# Altium PCB PCB_STX3.PcbDoc (continued)
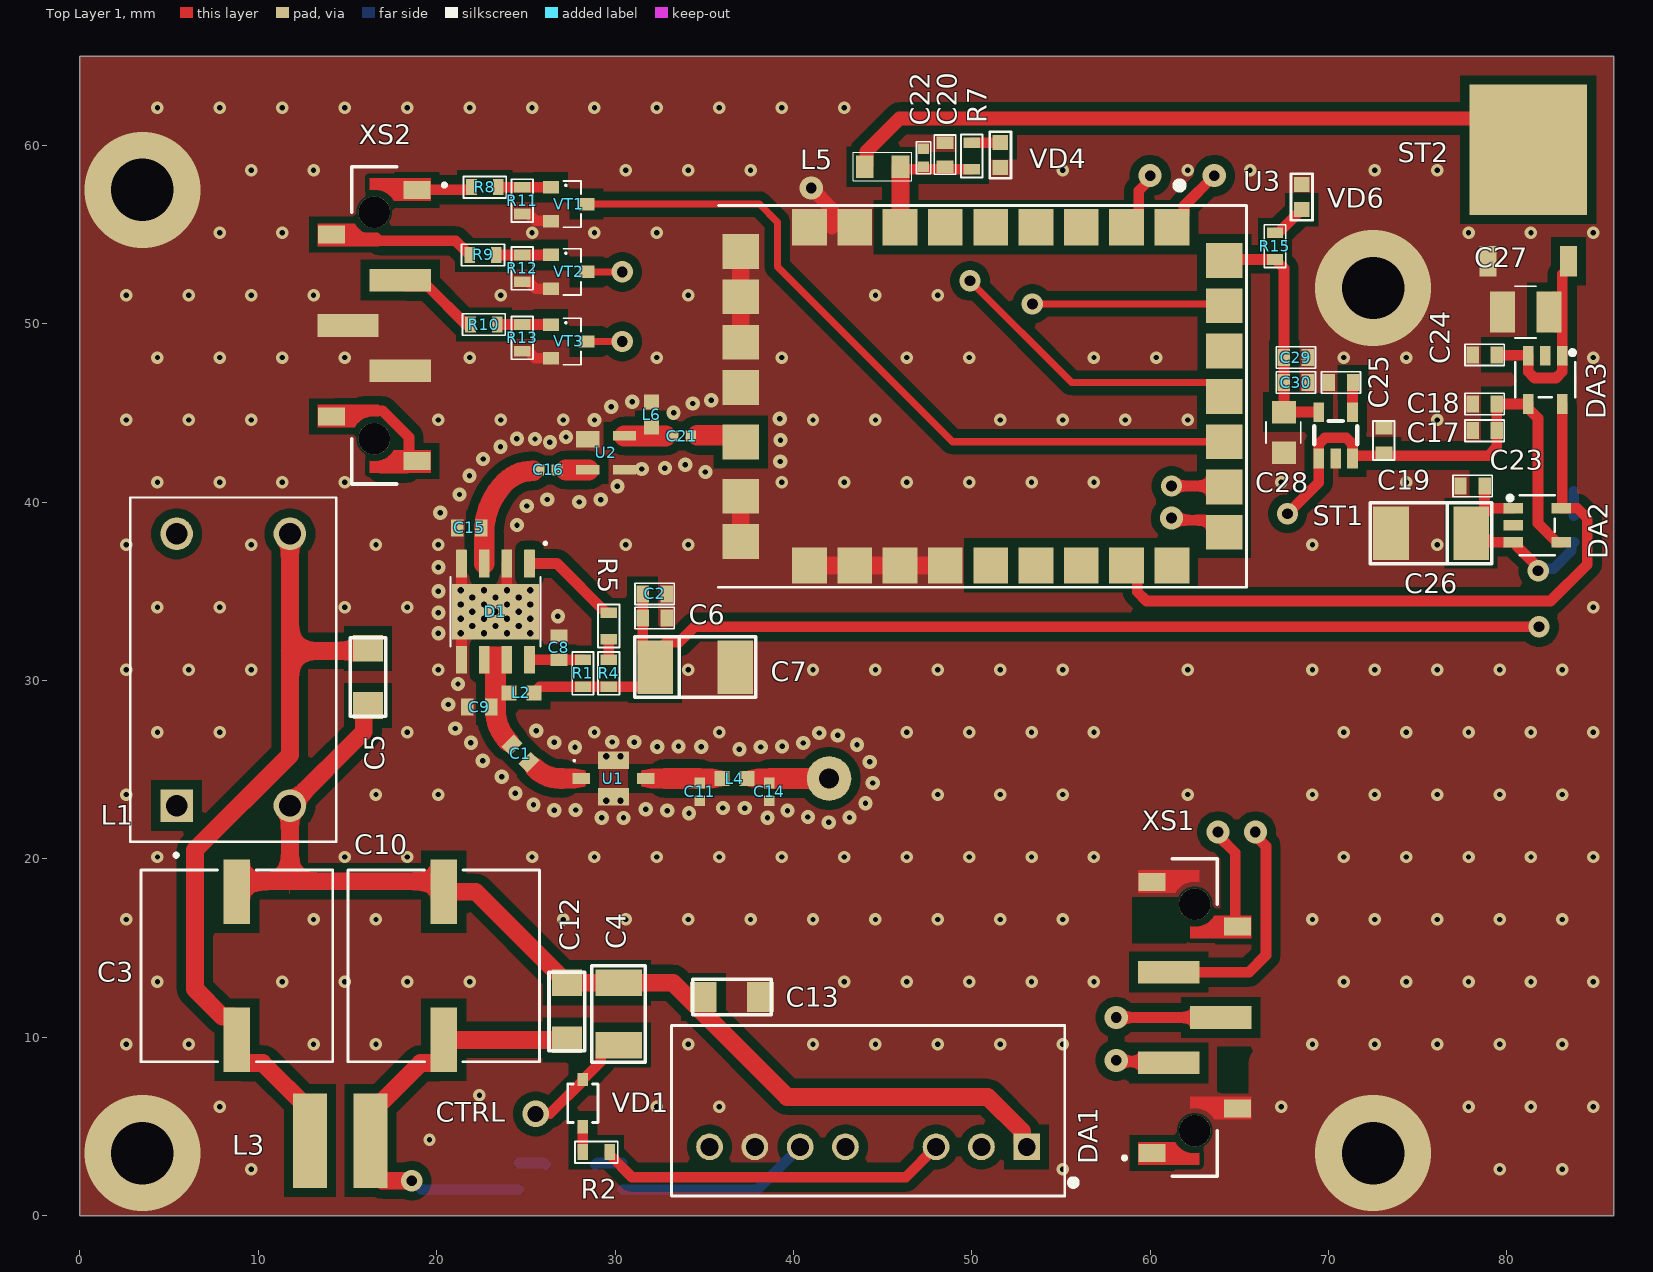
[diagram p0: Top Layer 1 view]
## Components (designator, comment, footprint, x,y, rotation, side; value= is the part's Value field where it differs from the comment)
C1 "Capacitor" "CAP 0603" 24.7,25.9 r315 top value=10
C2 "Capacitor" "CAP 0603" 32.225,34.85 r0 top value=100
C3 "CAP_POL" CP_Elec_SMD_10x10.5 8.8,14 r90 top value=100
C4 "Capacitor" "CAP 1210" 30.2,11.3 r270 top value=10
C5 "Capacitor" "CAP 1206" 16.15,30.2 r90 top value=10
C6 "Capacitor" "CAP 0603" 32.225,33.5 r0 top value=100
C7 "CAP_POL" TANTAL_C 34.5,30.75 r0 top value=47
C8 "Capacitor" "CAP 0603" 26.85,31.825 r270 top value=10
C9 "Capacitor" "CAP 0603" 22.4,28.5 r180 top value=100
C10 "CAP_POL" CP_Elec_SMD_10x10.5 20.4,14 r90 top value=100
C11 "Capacitor" "CAP 0402" 34.75,23.75 r270 top value=1
C12 "Capacitor" "CAP 1206" 27.3,11.45 r270 top value=10
C13 "Capacitor" "CAP 1206" 36.55,12.25 r0 top value=10
C14 "Capacitor" "CAP 0402" 38.65,23.75 r270 top value=1
C15 "Capacitor" "CAP 0603" 21.825,38.55 r0 top value=10
C16 "Capacitor" "CAP 0402" 26.25,41.8 r0 top value=1
C17 "Capacitor" "CAP 0603" 78.75,44 r180 top value=1
C18 "Capacitor" "CAP 0603" 78.75,45.497 r180 top value=1
C19 "Capacitor" "CAP 0603" 73.1,43.45 r270 top value=1
C20 "Capacitor" "CAP 0603" 48.5,59.475 r90 top value=10
C21 "Capacitor" "CAP 0402" 33.75,43.7 r0 top value=1
C22 "Capacitor" "CAP 0402" 47.3,59.3 r270 top value=0.1
C23 "Capacitor" "CAP 0603" 78.075,40.9 r180 top value=0.1
C24 "Capacitor" "CAP 0603" 78.75,48.25 r180 top value=0.1
C25 "Capacitor" "CAP 0603" 70.7,46.7 r0 top value=10
C26 "CAP_POL" TANTAL_C 75.75,38.25 r180 top value=10
C27 "CAP_POL" TANTAL_B 81.05,50.65 r180 top
C28 "CAP_POL" TANTAL_A 67.5,43.9 r270 top
C29 "Capacitor" "CAP 0603" 68.175,48.1 r180 top value=10
C30 "Capacitor" "CAP 0603" 68.175,46.7 r180 top value=10
D1 "AH312-S8G" SOIC-8 23.3,33.85 r270 top
DA1 "URB4805S_10WR3" URB(A)_S-10WR3 44.19,3.85 r180 top
DA2 "AP2280" SOT25 81.7,38.7 r0 top
DA3 "AP2280" SOT25 82.15,46.85 r270 top
L1 "Toroidal_Chokes" XFMR_HCTC-4-1.7 8.6,30.6 r90 top
L2 "Inductance" "L 0603" 24.75,29.3 r0 top value=39
L3 "Inductance" SSB0503 14.6,4.2 r90 top value=15
L4 "Inductance" "L 0603" 36.7,24.5 r0 top value=39
L5 "Ferrite_Bead" "L 0805" 45,58.8 r0 top value=220
L6 "Inductance" "L 0603" 32.05,44.9 r270 top value=39
R1 "Resistor" "RES 0603" 28.2,30.4 r270 top value=0
R2 "Resistor" "RES 0603" 28.95,3.55 r0 top value=100
R3 "Resistor" "RES 0603" 24.6,2.2 r90 bottom value=4.7
R4 "Resistor" "RES 0603" 29.65,30.4 r90 top value=0
R5 "Resistor" "RES 0603" 29.65,33.05 r270 top value=0
R6 "Resistor" "RES 0603" 30.4,2.2 r90 bottom value=4.7
R7 "Resistor" "RES 0603" 50,59.4 r90 top value=4.7
R8 "Resistor" "RES 0603" 22.7,57.65 r180 top value=1
R9 "Resistor" "RES 0603" 22.6,53.85 r180 top value=1
R10 "Resistor" "RES 0603" 22.65,49.95 r180 top value=1
R11 "Resistor" "RES 0603" 24.8,56.9 r90 top value=1
R12 "Resistor" "RES 0603" 24.8,53.1 r90 top value=1
R13 "Resistor" "RES 0603" 24.8,49.2 r90 top value=1
R14 "Resistor" "RES 0603" 83.765,38.5 r90 bottom value=4.7
R15 "Resistor" "RES 0603" 67,54.35 r90 top value=4.7
ST1 "LP2985-33" SOT-23_1.45 70.4,43.743 r90 top
ST2 "LD1117-33" DPAK_TO-252 81.2,59.6 r0 top
U1 "BFCN-1860+" FV1206-4 29.915,24.5 r0 top
U2 "LAT-2+" SOT143 29.5,42.75 r270 top
U3 "STX3_Module" STX3_TxSTL_32 50.6,45.923 r270 top
VD1 "1N4148WS" SOD323 28.2,6.3 r90 top
VD2 "LED" LED_SMD_0603 26.1,2.15 r270 bottom
VD3 "LED" LED_SMD_0603 28.9,2.15 r270 bottom
VD4 "LED" LED_SMD_0603 51.6,59.45 r270 top
VD5 "LED" LED_SMD_0603 83.75,41.3 r90 bottom
VD6 "LED" LED_SMD_0603 68.5,57.1 r90 top
VT1 "2N7002" SOT-23-3 27.4,56.7 r270 top
VT2 "2N7002" SOT-23-3 27.4,52.9 r270 top
VT3 "2N7002" SOT-23-3 27.4,49 r270 top
WA1 "SP.1615.25.4.A.02" A1615_25x25x4 42,24.5 r180 bottom
XS1 "WPH-3002-1XX-2GXB-XR" TSM-107-02-L-SV-A-P 62.5,11.1 r270 top
XS2 "WPH-3002-1XX-2GXB-XR" TSM-107-02-L-SV-A-P 16.5,49.9 r90 top locked

## Footprints (in the part's own frame and the unit in brackets; to place one, negate y for a bottom-side part, rotate by r counter-clockwise, add the part's x,y. Pads: shape width x height; smd on the part's side, far side on the other; paste and mask are expansions set on the pad)
A1615_25x25x4 [mm]
  round 1.2 / inner round 1.2 / far side round 2.5 hole 1.1: 1(0,0)
  silkscreen extent -14.35,-10.75 11.3,14.35, body extent -14.35,-10.75 10.75,14.35, height 4.7
"CAP 0402" [mm]
  rect 0.6x0.6 smd: 1(-0.5,0) 2(0.5,0)
  body extent -0.52,-0.25 0.51,0.25, height 0.51
"CAP 0603" [mm]
  rect 0.7x0.95 smd: 1(-0.675,0) 2(0.675,0)
  body extent -0.8,-0.4 0.8,0.4, height 0.8
"CAP 1206" [mm]
  rect 1.5x1.68 smd: 1(-1.6,0) 2(1.6,0)
  silkscreen extent -2.2,-1 2.2,1, body extent -1.6,-0.8 1.6,0.8, height 1
"CAP 1210" [mm]
  rect 1.5x2.6 smd: 1(-1.75,0) 2(1.75,0)
  silkscreen extent -2.7,-1.5 2.7,1.5, body extent -2,-1.24 2,1.24, height 1.7
CP_Elec_SMD_10x10.5 [mil]
  rect 142x59 smd mask+3.94: 1(-163.5,0) 2(163.5,0)
  silkscreen extent -212,-212 212,212, body extent -230,-203 230,203, height 402
DPAK_TO-252 [mil]
  rect 37x67 smd: 1(-89,-240) 3(89,-240)
  rect 260x288 smd: 2(0,6)
  body extent -129,-265 129,125, height 94
FV1206-4 [mm]
  rect 0.99x0.61 smd: 1(-1.815,0) 3(1.815,0)
  round 0.5 hole 0.35: 2(-0.4,-1.25) 2(0.4,-1.25) 4(-0.4,1.25) 4(0.4,1.25)
  rect 1.75x0.99 smd: 2(0,-1.015) 4(0,1.015)
  silkscreen extent -2.25,0.95 -2.15,1.05, body extent -1.6,-0.8 1.6,0.8, height 1.04
"L 0603" [mm]
  rect 0.85x0.85 smd: 1(-0.7,0) 2(0.7,0)
  body extent -0.8,-0.4 0.8,0.4, height 0.8
"L 0805" [mm]
  rect 1x1.25 smd: 1(-1,0) 2(1,0)
  silkscreen extent -1.65,-0.8 1.65,0.8, body extent -1,-0.62 1,0.63, height 0.85
LED_SMD_0603 [mm]
  rect 0.85x0.85 smd: 1(-0.7,0) 2(0.7,0)
  silkscreen extent -1.3,-0.6 1.3,0.6, body extent -0.8,-0.4 0.8,0.4, height 0.6
"RES 0603" [mm]
  rect 0.6x0.9 smd: 1(-0.75,0) 2(0.75,0)
  silkscreen extent -1.2,-0.6 1.2,0.6, body extent -0.77,-0.4 0.77,0.4, height 0.55
SOD323 [mm]
  rect 0.749x0.6 smd paste+0 mask+0: 1(-1.327,0) 2(1.327,0)
  silkscreen extent -1.08,-0.85 1.08,0.85, body extent -1.35,-0.72 1.35,0.72, height 1.15
SOIC-8 [mm]
  rrect5% 1.55x0.6 smd mask+0.05: 1(-2.7,1.905) 2(-2.7,0.635) 3(-2.7,-0.635) 4(-2.7,-1.905) 5(2.7,-1.905) 6(2.7,-0.635) 7(2.7,0.635) 8(2.7,1.905)
  round 0.5 hole 0.35: 4(-1.2,1.95) 4(-1.2,0.65) 4(-1.2,-0.65) 4(-1.2,-1.95) 4(-0.8,1.3) 4(-0.8,0) 4(-0.8,-1.3) 4(-0.4,1.95) 4(-0.4,0.65) 4(-0.4,-0.65) 4(-0.4,-1.95) 4(0,1.3) 4(0,0) 4(0,-1.3) 4(0.4,1.95) 4(0.4,0.65) 4(0.4,-0.65) 4(0.4,-1.95) 4(0.8,1.3) 4(0.8,0) 4(0.8,-1.3) 4(1.2,1.95) 4(1.2,0.65) 4(1.2,-0.65) 4(1.2,-1.95)
  rect 3.1x4.9 smd paste-3 mask+0.05: 4(0,0)
  silkscreen extent -3.91,-2.52 1.95,2.87, body extent -3,-2.45 3,2.45, height 1.7
SOT25 [mm]
  rect 1.1x0.6 smd paste+0 mask+0.1: 1(-1.353,0.95) 2(-1.353,0) 3(-1.353,-0.95) 4(1.353,-0.95) 5(1.353,0.95)
  silkscreen extent -1.65,-1.68 0.98,1.68, body extent -1.5,-1.55 1.5,1.55, height 1.45
SOT143 [mil]
  rect 21x51 smd paste+0 mask+0: 1(37.5,40.5) 2(37.5,-40.5) 4(-37.5,40.5)
  rect 36x51 smd paste+0 mask+0: 3(-30,-40.5)
  body extent -60,-52 60,52, height 47
SOT-23-3 [mm]
  rect 0.7x0.9 smd mask+0.05: 1(-0.95,-1) 2(0.95,-1) 3(0,1)
  silkscreen extent -1.3,-0.3 1.3,0.7, body extent -1.45,-1.2 1.45,1.2, height 1.11
SOT-23_1.45 [mm]
  rect 1.1x0.6 smd mask+0.05: 1(-1.3,0.95) 2(-1.3,0) 3(-1.3,-0.95) 4(1.3,-0.95) 5(1.3,0.95)
  silkscreen extent -0.5,-1.2 0.8,1.2, body extent -1.4,-1.45 1.4,1.45, height 1.45
SSB0503 [mm]
  rect 5.3x1.9 smd: 1(0,1.7) 2(0,-1.7)
STX3_TxSTL_32 [mm]
  rect 2.03x1.95 smd: 1(-9.477,10.62) 2(-9.477,8.08) 3(-9.477,5.54) 4(-9.477,3) 5(-9.477,0.46) 6(-9.477,-2.08) 7(-9.477,-4.62) 8(-9.477,-7.16) 9(-9.477,-9.7) 17(9.477,-9.7) 18(9.477,-7.16) 19(9.477,-4.62) 20(9.477,-2.08) 21(9.477,0.46) 22(9.477,3) 23(9.477,5.54) 24(9.477,8.08) 25(9.477,10.62)
  rect 1.95x2.03 smd: 10(-8.12,-13.55) 11(-5.58,-13.55) 12(-3.04,-13.55) 13(-0.5,-13.55) 14(2.549,-13.55) 15(5.6,-13.55) 16(8.14,-13.55) 26(7.612,13.55) 27(5.082,13.55) 28(2.542,13.55) 29(0.002,13.55) 30(-2.538,13.55) 31(-5.078,13.55) 32(-7.618,13.55)
  silkscreen extent -12.03,-14.8 10.7,14.8
TANTAL_A [mil]
  rect 49.98x53 smd paste+0 mask+3.94: 1(-45.01,0) 2(45.01,0)
  silkscreen extent -24,-39 24,37, body extent -67,-36 67,36, height 73
TANTAL_B [mm]
  rect 1.405x2.3 smd paste+0 mask+0.1: 1(-1.3,0) 2(1.3,0)
  silkscreen extent -0.6,-1.45 0.6,1.45, body extent -1.85,-1.4 1.85,1.4, height 2.15
TANTAL_C [mm]
  rect 2x3 smd: 1(-2.25,0) 2(2.25,0)
  silkscreen extent -3.4,-1.7 3.4,1.7, body extent -3.05,-1.67 3.05,1.68, height 2.7
TSM-107-02-L-SV-A-P [mm]
  rect 1x1.5 smd paste+0 mask+0.102: 1(7.6,-2.4) 2(5.1,2.4) 6(-5.1,2.4) 7(-7.6,-2.4)
  rect 1.27x3.43 smd paste+0 mask+0.102: 3(2.54,-1.46) 4(0,1.46) 5(-2.54,-1.46)
  round 1.78 hole 1.78 unplated mask+0: ""(-6.35,0) ""(6.35,0)
  Top Layer 1 region: -7.603,0.207 -7.611,0.155 -7.616,0.102 -7.62,0.05 -7.621,-0.003 -7.62,-0.056 -7.616,-0.109 -7.611,-0.162 -7.603,-0.214 -7.593,-0.266 -7.581,-0.318 -7.567,-0.369 -7.55,-0.419 -7.532,-0.468 -7.512,-0.517 -7.489,-0.565 -7.464,-0.612 -7.438,-0.658 -7.41,-0.703 -7.379,-0.746 -7.347,-0.788 -7.314,-0.829 -7.278,-0.868 -7.241,-0.906 -7.203,-0.942 -7.163,-0.977 -7.121,-1.01 -7.078,-1.041 -7.034,-1.07 -6.985,-1.1 -6.985,-3.175 -8.255,-3.175 -8.255,0.255 -7.594,0.255
  Top Layer 1 region: 5.715,1.1 5.666,1.07 5.622,1.041 5.579,1.01 5.537,0.977 5.497,0.942 5.459,0.906 5.422,0.868 5.386,0.829 5.353,0.788 5.321,0.746 5.29,0.703 5.262,0.658 5.236,0.612 5.211,0.565 5.188,0.517 5.168,0.468 5.15,0.419 5.133,0.369 5.119,0.318 5.107,0.266 5.097,0.214 5.089,0.162 5.084,0.109 5.08,0.056 5.079,0.003 5.08,-0.05 5.084,-0.102 5.089,-0.155 5.097,-0.207 5.106,-0.255 4.445,-0.255 4.445,3.175 5.715,3.175
  Top Layer 1 region: -4.445,-0.255 -5.106,-0.255 -5.097,-0.207 -5.089,-0.155 -5.084,-0.102 -5.08,-0.05 -5.079,0.003 -5.08,0.056 -5.084,0.109 -5.089,0.162 -5.097,0.214 -5.107,0.266 -5.119,0.318 -5.133,0.369 -5.15,0.419 -5.168,0.468 -5.188,0.517 -5.211,0.565 -5.236,0.612 -5.262,0.658 -5.29,0.703 -5.321,0.746 -5.353,0.788 -5.386,0.829 -5.422,0.868 -5.459,0.906 -5.497,0.942 -5.537,0.977 -5.579,1.01 -5.622,1.041 -5.666,1.07 -5.715,1.1 -5.715,3.175 -4.445,3.175
  Top Layer 1 region: 8.255,-3.175 6.985,-3.175 6.985,-1.1 7.034,-1.07 7.078,-1.041 7.121,-1.01 7.163,-0.977 7.203,-0.942 7.241,-0.906 7.278,-0.868 7.314,-0.829 7.347,-0.788 7.379,-0.746 7.41,-0.703 7.438,-0.658 7.464,-0.612 7.489,-0.565 7.512,-0.517 7.532,-0.468 7.55,-0.419 7.567,-0.369 7.581,-0.318 7.593,-0.266 7.603,-0.214 7.611,-0.162 7.616,-0.109 7.62,-0.056 7.621,-0.003 7.62,0.05 7.616,0.102 7.611,0.155 7.603,0.207 7.594,0.255 8.255,0.255
  silkscreen extent -8.89,-4.03 8.89,1.27, body extent -8.89,-2.6 8.89,2.6, height 13.24
URB(A)_S-10WR3 [mm]
  rect 1.5x1.5 hole 1 paste-2539.97 mask+0: 1(-8.89,0)
  round 1.5 hole 1 paste-2539.97 mask+0: 2(-6.35,0) 3(-3.81,0) 5(1.27,0) 6(3.81,0) 7(6.35,0) 8(8.89,0)
  silkscreen extent -11.6,-6.8 11.03,2.75, body extent -10.92,-6.63 10.88,2.67, height 3.81
XFMR_HCTC-4-1.7 [mil]
  rect 72x72 / inner round 72 / far side rect 72x72 hole 48: 1(-300,125)
  round 72 hole 48: 2(-300,-125) 3(300,-125) 4(300,125)
  silkscreen extent -413,-228 380,228, body extent -380,-318 380,318, height 820

## Part data
C1 C8 C15 C20 C25 C29 C30: library part "Capacitor CAP 0603 10 pF", Footprint Part=PcbLibCAP.pcbLib, Library Part=Capacitor.schlib, Part Number="Capacitor CAP 0603 10 pF", Units=pF
C2 C6 C9: library part "Capacitor CAP 0603 100 pF", Footprint Part=PcbLibCAP.pcbLib, Library Part=Capacitor.schlib, Part Number="Capacitor CAP 0603 100 pF", Units=pF
C3 C10: library part "CAP_POL CP_Elec_SMD_10x10.5 100 uF", Rated Voltage=50V, Tolerance=0,1, Footprint Part=PcbLibCAP.pcbLib, Library Part=Capacitor.schlib, Part Number="CAP_POL CP_Elec_SMD_10x10.5 100 uF", Units=uF
C4: library part "Capacitor CAP 1210 10 uF", Rated Voltage=50V, Tolerance=0,1, Footprint Part=PcbLibCAP.pcbLib, Library Part=Capacitor.schlib, Part Number="Capacitor CAP 1210 10 uF", Units=uF
C5 C12 C13: library part "Capacitor CAP 1206 10 uF", Rated Voltage=50V, Tolerance=0,1, Footprint Part=PcbLibCAP.pcbLib, Library Part=Capacitor.schlib, Part Number="Capacitor CAP 1206 10 uF", Units=uF
C7: library part "CAP_POL TANTAL_C 47 uF", Footprint Part=PcbLibCAP.pcbLib, Library Part=Capacitor.schlib, Part Number="CAP_POL TANTAL_C 47 uF", Units=uF
C11 C14 C16 C21: library part "Capacitor CAP 0402 1 pF", Footprint Part=PcbLibCAP.pcbLib, Library Part=Capacitor.schlib, Part Number="Capacitor CAP 0402 1 pF", Units=pF
C17 C18 C19: library part "Capacitor CAP 0603 1 uF", Footprint Part=PcbLibCAP.pcbLib, Library Part=Capacitor.schlib, Part Number="Capacitor CAP 0603 1 uF", Units=uF
C22: library part "Capacitor CAP 0402 0.1 uF", Footprint Part=PcbLibCAP.pcbLib, Library Part=Capacitor.schlib, Part Number="Capacitor CAP 0402 0.1 uF", Units=uF
C23 C24: library part "Capacitor CAP 0603 0.1 uF", Footprint Part=PcbLibCAP.pcbLib, Library Part=Capacitor.schlib, Part Number="Capacitor CAP 0603 0.1 uF", Units=uF
C26: library part "CAP_POL TANTAL_C 10 uF", Rated Voltage=35V, Tolerance=0,1, Footprint Part=PcbLibCAP.pcbLib, Library Part=Capacitor.schlib, Part Number="CAP_POL TANTAL_C 10 uF", Units=uF
D1: library part "AH312-S8G SOIC-8", "400–2300 MHz / +33 dBm P1dB at 2140 MHz  / +48 dBm Output IP3 at 2140 MHz / 18 dB Gain at 900 MHz / +5 V Single Positive Supply", Footprint Part=PcbLibAMP.pcbLib, Library Part=Amplifier.schlib, Part Number="AH312-S8G SOIC-8"
DA1: "Hi-Link / IN: 18-75VDC / OUT: 5VDC/2000mA / Power: 10 W", Footprint Part=PcbLibDC_DC.pcbLib, Library Part=DC_DC_Converter.schlib, Part Number=URB4805S_10WR3
DA2 DA3: library part "AP2280 SOT25", Footprint Part=PcbLibLSW.pcbLib, Library Part=LoadSwitch.schLib, Part Number="AP2280 SOT25"
L2 L4 L6: library part "Inductance L 0603 39 nH", Footprint Part=PcbLibL.pcbLib, Library Part=Inductance.schlib, Part Number="Inductance L 0603 39 nH", Units=nH
L3: library part "Inductance SSB0503 15 uH", Footprint Part=PcbLibL.pcbLib, Library Part=Inductance.schlib, Part Number="Inductance SSB0503 15 uH", Units=uH
L5: library part "Ferrite_Bead L 0805 220 Om", Footprint Part=PcbLibL.pcbLib, Library Part=Inductance.schlib, Part Number="Ferrite_Bead L 0805 220 Om", Units=Om
R1 R4 R5: library part "Resistor RES 0603 0 Om", Footprint Part=PcbLibRES.pcbLib, Library Part=Resistor.schlib, Part Number="Resistor RES 0603 0 Om", Units=Om
R2: library part "Resistor RES 0603 100 Om", Footprint Part=PcbLibRES.pcbLib, Library Part=Resistor.schlib, Part Number="Resistor RES 0603 100 Om", Units=Om
R3 R6 R7 R14 R15: library part "Resistor RES 0603 4.7 kOm", Footprint Part=PcbLibRES.pcbLib, Library Part=Resistor.schlib, Part Number="Resistor RES 0603 4.7 kOm", Units=kOm
R8 R9 R10 R11 R12 R13: library part "Resistor RES 0603 1 Om", Footprint Part=PcbLibRES.pcbLib, Library Part=Resistor.schlib, Part Number="Resistor RES 0603 1 Om", Units=Om
ST1: library part "LP2985-33 SOT-23_1.45", Footprint Part=PcbLibLDO.pcbLib, Library Part=LDO.schlib, Part Number="LP2985-33 SOT-23_1.45"
ST2: library part "LD1117-33 DPAK_TO-252", Footprint Part=PcbLibLDO.pcbLib, Library Part=LDO.schlib, Part Number="LD1117-33 DPAK_TO-252"
U1: library part "BFCN-1860+ FV1206-4", "Bandpass Filter / 1580 to 2200 MHz", Footprint Part=PcbLibFILTR.pcbLib, Library Part=Filter.schlib, Part Number="BFCN-1860+ FV1206-4"
U2: library part "LAT-2+ SOT143", "wideband, DC to 2500 MHz", Footprint Part=PcbLibRFATTN.pcbLib, Library Part=RF_Attenuator.schlib, Part Number="LAT-2+ SOT143"
U3: library part "STX3_Module STX3_TxSTL_32", "STX3 satellite transmitter", Footprint Part=PcbLibTxTER.pcbLib, Library Part=TRANSMITTER.schlib, Part Number="STX3_Module STX3_TxSTL_32"
VD1: library part "1N4148WS SOD323", "High Speed Switching Diode / Features / - VR 75V / - IFAV 150mA", Footprint Part=PcbLibDIODE.pcbLib, Library Part=Diode.schlib, Part Number="1N4148WS SOD323"
VD2 VD3 VD4 VD5 VD6: library part "LED_RGB LED_SMD_0603", Footprint Part=PcbLibLED.pcbLib, Library Part=LED.schlib, Part Number="LED_RGB LED_SMD_0603"
VT1 VT2 VT3: library part "2N7002 SOT-23-3", Footprint Part=PcbLibMOSFET.pcbLib, Library Part=MOSFET.schlib, Part Number="2N7002 SOT-23-3"
WA1: library part "SP.1615.25.4.A.02 A1615_25x25x4", "25*25*4mm  Globalstar 25mm 1615Mhz", Footprint Part=PcbLibANTNN.pcbLib, Library Part=Antenna.schlib, Part Number="SP.1615.25.4.A.02 A1615_25x25x4"

## Via types
v1: diameter 0.7/0.7/0.7/0.7 (per signal layer), hole 0.3, Top Layer 1 to Bottom Layer 1, 210 vias
v2: diameter 0.8/0.8/0.8/0.8 (per signal layer), hole 0.3, Top Layer 1 to Bottom Layer 1, 73 vias
v3: diameter 1.2, hole 0.6, Top Layer 1 to Bottom Layer 1, 9 vias
v4: diameter 1.3, hole 0.6, Top Layer 1 to Bottom Layer 1, 8 vias
v5: diameter 6.5, hole 3.5, Top Layer 1 to Bottom Layer 1, 4 vias
v6: diameter 1.5, hole 0.9, Top Layer 1 to Bottom Layer 1, 1 vias

## Nets (pads, with @x,y where several pads share a name; then routed paths per layer and width w, separated by ;. In a path a pad name is that pad's centre, name@x,y a point inside that pad or via, vN(x,y) a via of type N, cw(c..) or ccw(c..) an arc to the next point about the centre after c; other vN are vias at no path point)
Ctrl: C4.2 VD1.2 | length 7
  Top Layer 1 w0.6: v6(25.55,5.7) 26.347,5.7 28.2,7.552 VD1.2 ; VD1.2@28.2,7.702 28.275,7.702 29.2,8.627 29.2,9.1 29.55,9.45 C4.2@30.75,9.45
GND: C2.2 C6.2 C7.2 C8.1 C9.2 C11.2 C13.2 C14.2 C15.1 C17.2 C18.2 C19.1 C20.2 C22.1 C23.2 C24.2 C25.1 C26.2 C27.2 C28.2 C29.1 C30.1 D1.2 D1.4 D1.5 DA1.7 DA2.2 DA3.2 L6.1 R11.1 R12.1 R13.1 ST1.2 ST2.1 U1.2 U1.4 U2.1 U2.3 U3.8 U3.9 U3.10 U3.11 U3.12 U3.13 U3.15 U3.16 U3.17 U3.18 U3.19 U3.20 VD2.2 VD3.2 VD4.2 VD5.2 VD6.2 VT1.2 VT2.2 VT3.2 XS1.2 XS1.7 XS2.4 XS2.5 | length 34.3
  Top Layer 1 w0.6: D1.5 D1.4@21.395,32.65 ; D1.4@21.395,35.05 D1.4@21.395,36.55 ; D1.2 23.935,35.065 D1.4@23.95,35.05 ; R13.1 25.144,48.45 25.536,48.059 26.391,48.059 VT3.2 26.5,48.05 VT3.2@26.55,48 ; R12.1 25.15,52.35 25.539,51.961 26.389,51.961 VT2.2 VT2.2@26.45,51.9 ; R11.1 25.15,56.15 25.539,55.761 VT1.2@26.489,55.761 ; VT1.2 VT1.2@26.45,55.7 ; U3.15@36.428,40.945 U3.15 U3.15@37.725,40.998 ; U3.13@36.427,45.8 U3.13 U3.13@37.673,45.8 ; U3.9 42.17,55.4 U3.8 ; C17.2@78.073,43.998 C17.2
  Top Layer 1 w0.8: v4(41,57.6) 42.17,56.43 42.17,55.4
  Top Layer 1 w1: U3.16 U3.15 ; U3.12 U3.11 U3.10 ; U3.17 U3.18 U3.19 U3.20
  other v1: 9.6,2.6 55.1,2.6 79.6,2.6 83.1,2.6 19.6,4.25 7.85,6.1 32.35,6.1 35.85,6.1 67.35,6.1 77.85,6.1 81.35,6.1 84.85,6.1 22.4,6.75 2.6,9.6 6.1,9.6 13.1,9.6 16.6,9.6 34.1,9.6 41.1,9.6 44.6,9.6 48.1,9.6 51.6,9.6 55.1,9.6 69.1,9.6 72.6,9.6 76.1,9.6 79.6,9.6 83.1,9.6 4.35,13.1 11.35,13.1 14.85,13.1 18.35,13.1 21.85,13.1 42.85,13.1 46.35,13.1 49.85,13.1 53.35,13.1 56.85,13.1 70.85,13.1 74.35,13.1 77.85,13.1 81.35,13.1 84.85,13.1 2.6,16.6 13.1,16.6 16.6,16.6 27.1,16.6 30.6,16.6 34.1,16.6 37.6,16.6 41.1,16.6 44.6,16.6 48.1,16.6 51.6,16.6 55.1,16.6 69.1,16.6 72.6,16.6 76.1,16.6 79.6,16.6 83.1,16.6 4.35,20.1 14.85,20.1 18.35,20.1 25.35,20.1 28.85,20.1 32.35,20.1 35.85,20.1 39.35,20.1 42.85,20.1 46.35,20.1 49.85,20.1 53.35,20.1 56.85,20.1 70.85,20.1 74.35,20.1 77.85,20.1 81.35,20.1 84.85,20.1 2.6,23.6 16.6,23.6 20.1,23.6 48.1,23.6 51.6,23.6 55.1,23.6 62.1,23.6 69.1,23.6 72.6,23.6 76.1,23.6 79.6,23.6 83.1,23.6 4.35,27.1 7.85,27.1 18.35,27.1 28.85,27.1 35.85,27.1 46.35,27.1 49.85,27.1 53.35,27.1 56.85,27.1 70.85,27.1 74.35,27.1 77.85,27.1 81.35,27.1 84.85,27.1 2.6,30.6 6.1,30.6 9.6,30.6 20.1,30.6 34.1,30.6 41.1,30.6 44.6,30.6 48.1,30.6 51.6,30.6 55.1,30.6 62.1,30.6 69.1,30.6 72.6,30.6 76.1,30.6 79.6,30.6 83.1,30.6 4.35,34.1 7.85,34.1 14.85,34.1 18.35,34.1 84.85,34.1 2.6,37.6 9.6,37.6 16.6,37.6 20.1,37.6 30.6,37.6 34.1,37.6 69.1,37.6 76.1,37.6 4.35,41.1 7.85,41.1 11.35,41.1 14.85,41.1 39.35,41.1 42.85,41.1 46.35,41.1 49.85,41.1 53.35,41.1 56.85,41.1 67.35,41.1 74.35,41.1 2.6,44.6 6.1,44.6 9.6,44.6 20.1,44.6 23.6,44.6 27.1,44.6 41.1,44.6 44.6,44.6 51.6,44.6 55.1,44.6 58.6,44.6 62.1,44.6 76.1,44.6 4.35,48.1 7.85,48.1 11.35,48.1 14.85,48.1 21.85,48.1 32.35,48.1 39.35,48.1 46.35,48.1 49.85,48.1 56.85,48.1 60.35,48.1 70.85,48.1 74.35,48.1 84.85,48.1 2.6,51.6 6.1,51.6 9.6,51.6 13.1,51.6 23.6,51.6 34.1,51.6 44.6,51.6 48.1,51.6 7.85,55.1 11.35,55.1 25.35,55.1 28.85,55.1 32.35,55.1 77.85,55.1 81.35,55.1 84.85,55.1 9.6,58.6 13.1,58.6 30.6,58.6 34.1,58.6 37.6,58.6 55.1,58.6 62.1,58.6 65.6,58.6 72.6,58.6 76.1,58.6 4.35,62.1 7.85,62.1 11.35,62.1 14.85,62.1 18.35,62.1 21.85,62.1 25.35,62.1 28.85,62.1 32.35,62.1 35.85,62.1 39.35,62.1 42.85,62.1
  other v2: 41.976,22.039 29.25,22.3 30.476,22.293 38.55,22.3 43.143,22.318 40.815,22.343 34.15,22.55 32.924,22.701 39.67,22.701 26.592,22.728 27.792,22.738 31.726,22.773 37.276,22.843 36.05,22.85 25.429,23.025 44.039,23.116 24.415,23.667 44.448,24.244 23.651,24.592 44.277,25.432 22.582,25.503 36.974,26.135 27.757,26.258 32.363,26.274 38.167,26.27 33.563,26.299 34.832,26.284 39.366,26.299 43.566,26.399 21.921,26.505 40.551,26.49 26.587,26.524 29.85,26.55 31.076,26.543 42.484,26.918 41.45,27.05 25.579,27.175 21.05,27.3 20.65,28.65 21.2,29.8 20.1,32.65 26.8,33.6 20.1,33.8 20.1,35 20.1,36.35 24.506,38.707 20.2,39.4 25.053,39.775 28.002,39.998 26.195,40.144 29.194,40.136 21.281,40.422 30.134,40.882 21.845,41.481 35.068,41.687 31.5,41.85 32.797,41.903 33.936,42.084 39.259,42.273 22.604,42.41 23.585,43.103 26.35,43.35 39.275,43.472 25.518,43.534 24.5,43.55 27.25,43.65 28.851,44.599 39.23,44.672 33.285,45.002 29.794,45.341 34.364,45.526 30.96,45.627 35.4,45.7
  other v5: 3.5,3.5 72.5,3.5 72.5,52 3.5,57.5
NetC1_1: C1.1 C9.1 D1.6 D1.7 L2.1 | length 4.8
  Top Layer 1 w1.155: 23.3,31.15 23.3,28.352 ccw(c25.84,28.352) C1.1@24.044,26.556
NetC1_2: C1.2 U1.1 | length 1.7
  Top Layer 1 w1.155: 25.5,25.1 ccw(c26.95,26.55) 26.95,24.499 27.05,24.499
NetC2_1: C2.1 C6.1 C7.1 C23.1 C26.1 DA2.1 DA2.3 L2.2 R1.2 R4.1 R14.1 | length 78.6
  Top Layer 1 w0.6: L2.2 25.8,29.65 R1.2 29.5,29.65 R4.1 31.4,29.65 32.2,30.45 C7.1@32.2,30.95 ; C2.1 C6.1 31.55,31.6 C7.1@32.2,30.95 ; C26.1 78,38.75 78.75,39.5 C23.1 ; DA2.3 79.051,37.75 78.7,38.101 78.7,39.299 79.051,39.65 DA2.1 ; DA2.3@80.597,37.75 80.597,37.5 81.635,36.462 81.635,36.265 v3(81.75,36.15) ; v3(81.8,33) 34.45,33 33.6,32.15 32.9,32.15 32.2,31.45 C7.1@32.2,30.95
  Bottom Layer w0.6: v3(81.75,36.15) 81.775,36.125 81.775,33.025 v3(81.8,33)
  Bottom Layer 1 w0.6: v3(81.75,36.15) 81.865,36.265 82.615,36.265 83.615,37.265 83.615,37.75 R14.1
NetC3_1: C3.1 C5.2 L1.3 L3.1 | length 44.4
  Top Layer 1 w1: L1.3 11.775,31.65 ; L3.1 12.9,5.9 10.256,8.544 9.049,8.544 8.8,8.793 C3.1 8.8,10.901 8.551,11.15 8,11.15 6.45,12.7 6.45,20.5 11.775,25.825 11.775,31.65 ; C5.2 16,31.65 11.775,31.65
NetC3_2: C3.2 C4.1 C5.1 C10.2 C12.1 C13.1 DA1.1 L1.2 | length 63.2
  Top Layer 1 w1: C3.2 8.8,18.489 9.049,18.739 11.775,18.739 ; C5.1 15.917,28.367 15.917,27.122 L1.2 11.775,18.739 ; DA1.1 52.83,4.1 52.83,4.72 50.9,6.65 39.65,6.65 33.25,13.05 30.75,13.05 C4.1 C12.1 27.21,13.05 26.96,13.3 26.96,13.39 22.197,18.153 C10.2 20.4,18.489 20.151,18.739 11.775,18.739
NetC8_2: C8.2 D1.8 R1.1 | length 3
  Top Layer 1 w0.6: D1.8 R1.1
NetC10_1: C10.1 C12.2 DA1.2 L3.2 R3.1 | length 58
  Top Layer 1 w0.6: L3.2 16.3,2.6 L3.2@16.95,1.95
  Top Layer 1 w1: L3.2 16.3,5.9 16.75,6.35 16.903,6.35 19.097,8.544 20.151,8.544 20.4,8.793 C10.1 20.403,9.85 C12.2 ; L3.2@16.95,1.95 v3(18.6,1.95)
  Bottom Layer w1: v3@18.654,1.95 48.831,1.95 50.29,3.409 50.29,3.465 DA1.2@50.58,3.754
  Bottom Layer 1 w0.6: v3(18.6,1.95) 18.681,1.95 19.181,1.45 R3.1
NetC11_1: C11.1 L4.1 U1.3 | length 1.9
  Top Layer 1 w1.155: 32.8,24.5 C11.1@34.714,24.5
NetC14_1: C14.1 L4.2 WA1.1 | length 3.3
  Top Layer 1 w1.155: C14.1@38.7,24.5 WA1.1
NetC15_2: C15.2 C16.1 D1.3 | length 6.6
  Top Layer 1 w1.155: D1.3 22.665,38.279 cw(c26.656,38.279) 23.834,41.101 cw(c25.4,39.535) 25.4,41.75
NetC16_2: C16.2 U2.2 | length 1.3
  Top Layer 1 w1.155: 27.25,41.8 27.252,41.798 U2.2@28.521,41.798
NetC17_1: C17.1 C18.1 C19.2 DA1.6 DA2.4 DA3.4 R6.1 ST1.1 ST1.3 | length 96.2
  Top Layer 1 w0.6: v3(67.7,39.35) 69.45,41.1 ST1.1 ; ST1.1@69.45,42.5 69.45,43.249 69.801,43.6 70.999,43.6 71.35,43.249 ST1.3 71.35,42.6 78.95,42.6 79.439,43.089 79.439,43.986 C17.1 C18.1 DA3.4 81.2,45.247 81.75,44.697 81.75,38.803 82.803,37.75 DA2.4
  Bottom Layer w0.6: DA1.6 42.43,5.9 58.75,5.9 67.7,14.85 v3(67.7,39.35)
  Bottom Layer 1 w0.6: R6.1 37.98,1.45 DA1.6
NetC20_1: C20.1 C22.2 L5.2 R7.1 U3.7 | length 7.5
  Top Layer 1 w0.6: U3.7 U3.7@46,55.42 ; L5.2 46.15,58.65 R7.1
  Top Layer 1 w1: U3.7@46,55.42 L5.2
NetC21_1: C21.1 L6.2 U2.4 | length 2.3
  Top Layer 1 w1.155: U2.4 32.847,43.703 32.85,43.7
NetC21_2: C21.2 U3.14 | length 2.6
  Top Layer 1 w1.155: 34.6,43.75 36.673,43.75 U3.14
NetC24_1: C24.1 C27.1 DA3.1 DA3.3 ST2.3 | length 12.3
  Top Layer 1 w0.6: C24.1 79.449,48.226 81.2,48.226 81.2,47.301 81.551,46.95 82.749,46.95 83.1,47.301 83.1,52.762 83.461,53.123 ST2.3 ; C27.1@82.35,50.203 C27.1@82.752,49.8
  Top Layer 1 w0.8: C27.1@82.35,51.097 C27.1@82.652,51.4
NetC25_2: C25.2 ST1.4 | length 1.7
  Top Layer 1 w0.6: ST1.4 71.35,46.675 C25.2
NetC28_1: C28.1 C29.2 C30.2 R15.1 ST1.5 U3.32 | length 13.5
  Top Layer 1 w0.6: U3.32 64.21,53.6 R15.1 ; R15.1@67.15,53.6 67.15,53.45 67.5,53.1 C29.2 C30.2 C28.1 ST1.5
NetD1_1: D1.1 R5.1 | length 5.6
  Top Layer 1 w0.6: D1.1 26.75,36.55 29.5,33.8 R5.1
NetDA1_3: DA1.3 R2.2 | length 19.7
  Top Layer 1 w0.6: R2.2 29.7,3.4 30.95,2.15 46.3,2.15 DA1.3
NetDA2_5: DA2.5 DA3.5 U3.24 | length 38.1
  Top Layer 1 w0.6: U3.24 59.274,35.851 59.274,34.976 59.8,34.45 82.45,34.45 84.5,36.5 84.5,39.1 83.95,39.65 DA2.5 ; DA2.5@83.1,39.65 DA3.5
NetL5_1: L5.1 ST2.2 | length 39.5
  Top Layer 1 w0.8: L5.1 44.1,58.9 44.1,59.65 45.95,61.5 79.452,61.5 ST2.2
NetR2_1: R2.1 VD1.1 | length 1.4
  Top Layer 1 w0.6: R2.1 28.2,4.898 VD1.1
NetR3_2: R3.2 VD2.1 | length 1.5
  Bottom Layer 1 w0.6: R3.2 26,2.95 VD2.1
NetR4_2: R4.2 R5.2 | length 1.1
  Top Layer 1 w0.6: R4.2 R5.2
NetR6_2: R6.2 VD3.1 | length 1.5
  Bottom Layer 1 w0.6: VD3.1 29,2.95 R6.2
NetR7_2: R7.2 VD4.1 | length 1.6
  Top Layer 1 w0.6: R7.2 VD4.1
NetR8_1: R8.1 R11.2 VT1.1 | length 3
  Top Layer 1 w0.6: R8.1 VT1.1
NetR8_2: R8.2 XS2.1 | length 3.2
  Top Layer 1 w0.6: XS2.1 21.95,57.5 R8.2
NetR9_1: R9.1 R12.2 VT2.1 | length 3.1
  Top Layer 1 w0.6: R9.1 VT2.1
NetR9_2: R9.2 XS2.2 | length 8.3
  Top Layer 1 w0.6: XS2.2 14.29,54.81 16.621,54.81 16.786,54.645 21.055,54.645 21.7,54 21.85,54 R9.2
NetR10_1: R10.1 R13.2 VT3.1 | length 3
  Top Layer 1 w0.6: R10.1 VT3.1
NetR10_2: R10.2 XS2.3 | length 5
  Top Layer 1 w0.6: XS2.3 18.295,52.105 19.495,52.105 21.65,49.95 R10.2
NetR14_2: R14.2 VD5.1 | length 1.4
  Bottom Layer 1 w0.6: VD5.1 83.757,40.593 83.757,39.25 R14.2
NetR15_2: R15.2 VD6.1 | length 2
  Top Layer 1 w0.6: R15.2 67.2,55.1 VD6.1
NetU3_1: U3.1 XS1.5 | length 54.6
  Top Layer 1 w0.6: XS1.5 65.54,13.64 66.5,14.6 66.5,20.711 65.9,21.311 v4(65.9,21.5) ; U3.1@61.22,55.44 61.895,56.115 61.895,56.595 v4(63.6,58.3)
  Bottom Layer w0.6: v4(63.6,58.3) 65.9,56 v4(65.9,21.5)
NetU3_2: U3.2 XS1.6 | length 47.4
  Top Layer 1 w0.6: U3.2 59.355,56.075 59.355,57.455 v4@60,58.1 ; v4(63.8,21.5) 63.8,21.311 64.775,20.336 64.775,16.325 XS1.6
  Bottom Layer w0.6: v4(60,58.3) 63.8,54.5 v4(63.8,21.5)
NetU3_26: U3.26 XS1.3 | length 38
  Top Layer 1 w0.6: v4(58.1,8.7) 58.17,8.63 60.97,8.63 XS1.3 ; v4(61.2,39.1) 61.315,38.985 63.475,38.985 U3.26
  Bottom Layer w0.6: v4(58.1,8.7) 59.65,10.25 59.65,37.55 v4(61.2,39.1)
NetU3_27: U3.27 XS1.4 | length 39.9
  Top Layer 1 w0.6: v4(58.1,11.1) XS1.4 ; v3(61.2,40.9) 64.09,40.9 U3.27
  Bottom Layer w0.6: v4(58.1,11.1) 58.1,37.8 v3(61.2,40.9)
NetU3_28: U3.28 VT1.3 | length 42.7
  Top Layer 1 w0.4: VT1.3 38.1,56.7 39.1,55.7 39.1,53.2 48.92,43.38 U3.28
NetU3_29: U3.29 VT2.3 | length 38.6
  Top Layer 1 w0.4: VT2.3 v3(30.4,52.9) ; v3(49.9,52.4) 55.605,46.695 63.375,46.695 U3.29
  Bottom Layer w0.4: v3(30.4,52.9) 49.184,52.9 49.684,52.4 v3(49.9,52.4)
NetU3_31: U3.31 VT3.3 | length 36.7
  Top Layer 1 w0.4: VT3.3 v3(30.4,49) ; v3(53.4,51.1) 64.05,51.1 U3.31
  Bottom Layer w0.4: v3(30.4,49) 30.553,49.153 30.987,49.153 31.034,49.2 51.5,49.2 v3(53.4,51.1)
NetXS2_6: XS2.6 XS2.7 | length 9
  Top Layer 1 w0.6: XS2.6 14.3,45 15.75,45 15.874,45.124 16.962,45.124 18.45,43.636 18.45,42.5 XS2.7@18.65,42.3 ; 16.886,41.9 18.335,41.9 18.45,42.015 18.45,42.1 XS2.7@18.65,42.3 ; XS2.7@18.65,42.3 XS2.7 XS2.7@18.65,42.3
pads on no net: DA1.5 DA1.8 L1.1 L1.4 U3.3 U3.4 U3.5 U3.6 U3.21 U3.22 U3.23 U3.25 U3.30 XS1. XS1.1 XS2.

## Polygon pours and split planes (outlines as drawn)
GND on Top Layer "GND_L02_P001" (solid, pour order 1): 0,65 86,65 86,0 0,0
GND on Bottom Layer "GND_L03_P002" (solid, pour order 2): 0.4,65 86,65 86,0.5 0.4,0.5
GND on Bottom Layer 1 "GND_L04_P003" (solid, pour order 3): -0.1,65 86,65 86,-0.1 -0.1,-0.1
GND on Top Layer 1 "GND_L01_P000" (solid, remove dead copper, pour order 0): 0,65 86,65 86,0 0,0

## Other copper
Top Layer 1:
  rectangle net NetC1_1: 22.4,30.4 24.2,31.9
  region net NetC1_2: 28.35,24.5 28.35,24.16 cw(c28.218,24.16) 28.242,24.03 27.8,23.95 27.05,23.921 27.05,25.077 27.828,25.043 28.242,24.969 cw(c28.219,24.84) 28.35,24.84
  region net NetC14_1: 37.4,24.5 37.4,24.84 cw(c37.532,24.84) 37.508,24.97 37.95,25.05 38.7,25.079 38.7,23.923 37.922,23.957 37.508,24.031 cw(c37.531,24.16) 37.4,24.16
  region net NetC11_1: 31.465,24.499 31.465,24.839 cw(c31.597,24.839) 31.573,24.969 32.015,25.049 32.765,25.078 32.765,23.922 31.987,23.956 31.573,24.03 cw(c31.596,24.159) 31.465,24.159
  region net NetC11_1: 36.022,24.507 36.022,24.126 cw(c35.938,24.126) 35.953,24.044 35.472,23.957 34.722,23.957 34.722,25.057 35.5,25.05 35.94,24.971 cw(c35.923,24.874) 36.022,24.874
  pour cut-out: 59.011,17.85 59.029,17.832 61.577,17.832 ccw(c62.369,17.45) 61.577,17.067 ccw(c62.66,17.59) 62.137,16.508 62.137,15.376 62.035,15.275 59.011,15.275
  pour cut-out: 63.755,9.465 65.632,9.465 65.755,9.215 65.652,9.08 65.531,8.788 65.49,8.475 65.49,6.85 63.974,6.85 63.788,6.914 63.755,7.081

## Silkscreen, mask and mechanical layers (free items; w line width, h text height)
Top Overlay:
  text "CTRL" at 19.95,5.25 h1.1
Top Solder:
  lines w3: 23.3,33.05 cw(c23.179,32.929) 23.35,32.929 ; 24.248,26.202 25.052,25.398
  lines w5: 22.65,34.25 ccw(c22.65,34.25) 22.65,34.25 22.65,38.83 cw(c25.716,38.83) 23.548,40.998 23.85,41.3 cw(c24.936,40.214) 24.936,41.75 25.6,41.75 cw(c25.721,41.629) 25.721,41.8 28.8,41.8 ; 23.35,32.929 23.35,28.37 ccw(c26.416,28.37) 24.248,26.202 ; 25.052,25.398 ccw(c27.22,27.566) 27.22,24.5 42,24.5 ; 30.15,43.8 37.05,43.8
Board Shape:
  lines w0.254: 0,51 0,61
  lines w0.5: 0,0 86,0 86,65 0,65 0,0

## Dimensions
0,0 to 86,65 on Mechanical 15
0,0 to 86,65 on Mechanical 15